# Altium PCB BigProjectPCB.PcbDoc
Units mm, origin at the board's own origin, x right, y up, seen from the top; angles counter-clockwise.
Board outline 106 x 73.5 mm, 2 copper layers (Top Layer, Bottom Layer); 63 components, 40 nets, 230 pads, 91 vias.
Unrouted connection lines stored in the file: 1.
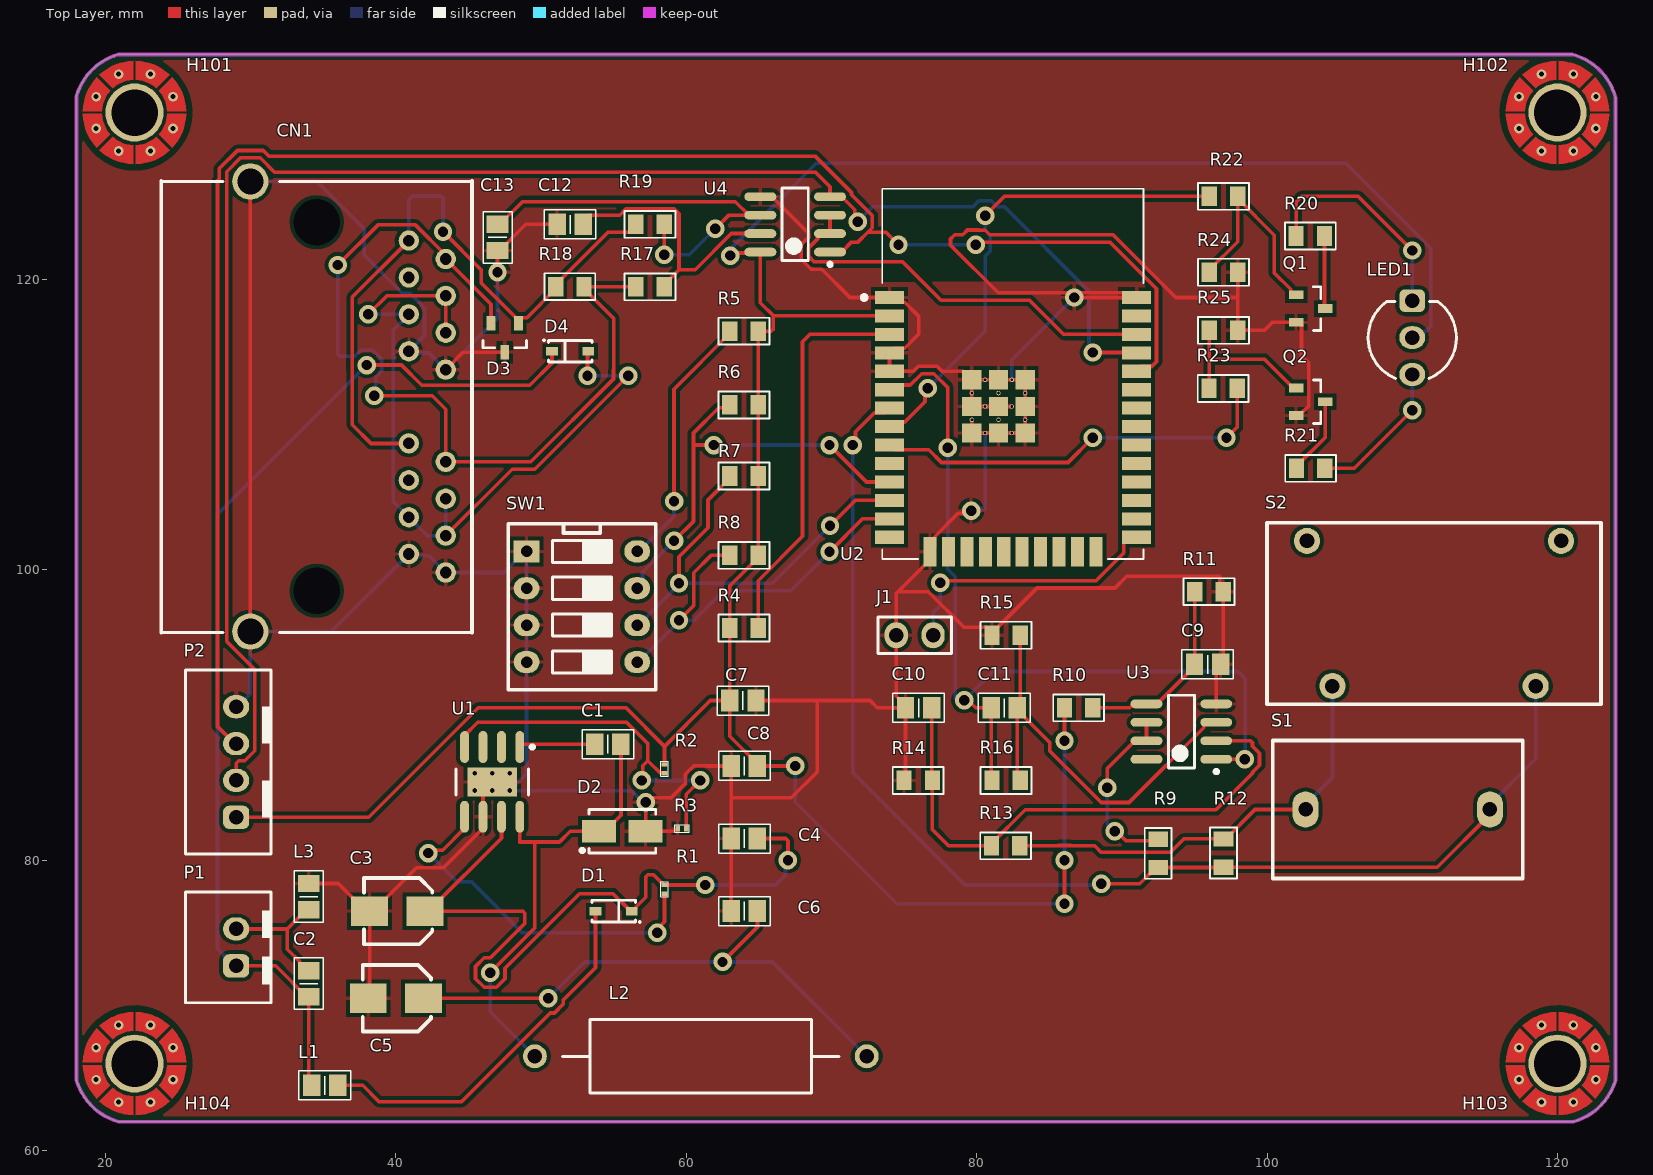
[diagram p0: Top Layer view]
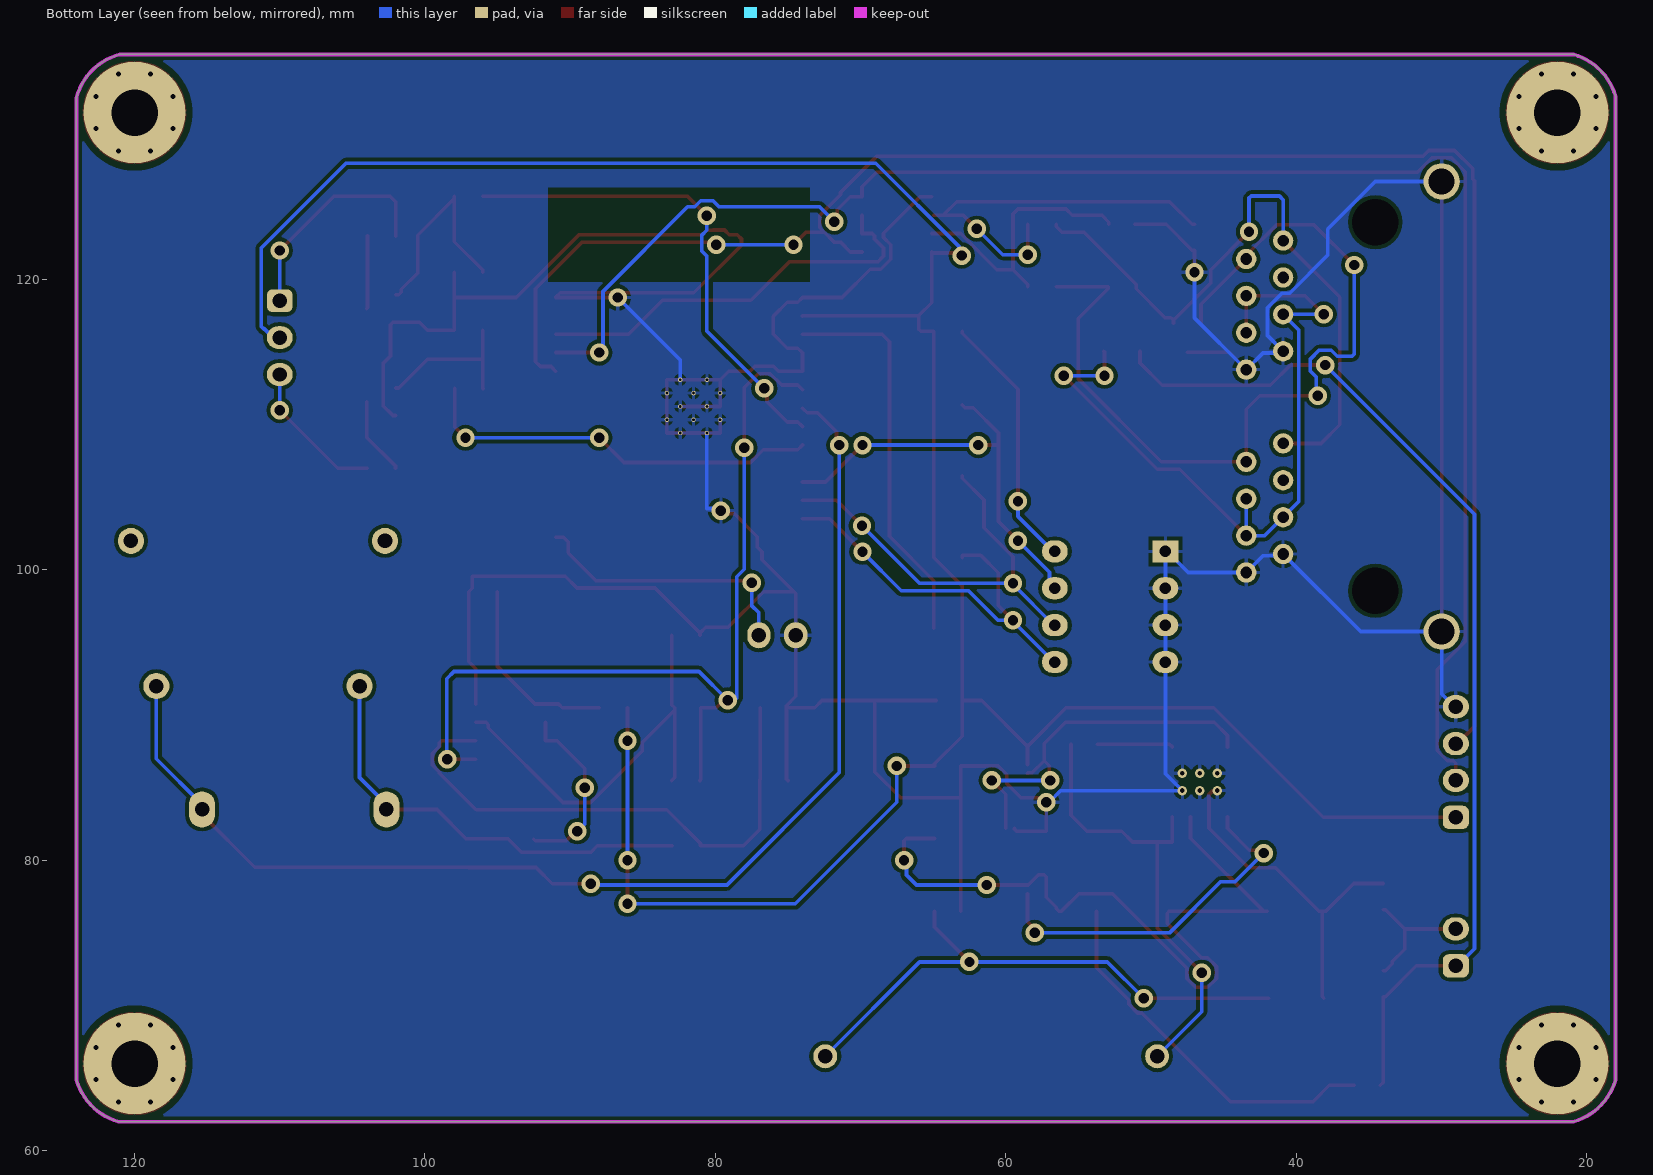
[diagram p1: Bottom Layer view, seen from below]

## Layer stack, top to bottom
Top Solder: solder mask 0.0102, Solder Resist, Dk 3.5
Top Layer: signal copper 0.0356
Dielectric 1: dielectric 0.32, FR-4, Dk 4.8
Bottom Layer: signal copper 0.0356
Bottom Solder: solder mask 0.0102, Solder Resist, Dk 3.5

## Board outline
18,64.9 18,132.6 cw(c22,131.5) 20.9,135.5 121,135.5 cw(c120,131.5) 124,132.5 124,64.9 cw(c120,66) 121.1,62 20.9,62 cw(c22,66)

## Design rules (kind name [scope] priority, off if disabled: settings)
Clearance [All] p1: gap=0.254 ignorepadtopadclearanceinfootprint=FALSE except(0: Arc-Hole Track-Hole SMDPad-Hole THPad-Hole Via-Hole Fill-Hole Poly-Hole Region-Hole Text-Hole)
ComponentClearance [InComponent('H*') OR InComponent('S1')] p1: gap=0 collisioncheckmode=3 verticalgap=0 showdistances=FALSE
Height [All] p1: minheight=0 maxheight=30 prefheight=12.7
PolygonConnect [All] p1: connectstyle=Relief reliefconductorwidth=0.254 reliefentries=4 polygonreliefangle="90 Angle" airgapwidth=0.254
RoutingVias [All] p1: holewidth=0.711 width=1.27 viastyle="Through Hole" minholewidth=0.711 minwidth=1.27 maxholewidth=0.711 maxwidth=1.27
SolderMaskExpansion [All] p1: expansion=0.102 istentingtop=FALSE
Width [All] p1: maxlimit=2 minlimit=0.2 preferedwidth=0.4 minimp=50.000000 maximp=50.000000 favimp=50.000000
28 further rules are at their usual default settings.

## Classes and differential pairs
component class SlideSwitchMCU: R5 R6 R7 R8 SW1
component class RS-485: C12 C13 CN1 D3 D4 R17 R18 R19 U4
component class HighCurrentLED: LED1 Q1 Q2 R20 R21 R22 R23 R24 R25
component class CurrentSensor: C9 C10 C11 R9 R10 R11 R12 R13 R14 R15 R16 S1 S2 U3
component class ESP32-WROM-32: C7 C8 J1 P2 R4 U2
component class 3.3VRegulator: C1 C2 C3 C4 C5 C6 D1 D2 H101 H102 H103 H104 L1 L2 L3 P1 R1 R2 R3 U1

## Components (designator, comment, footprint, x,y, rotation, side; value= is the part's Value field where it differs from the comment)
C1 "10nF" "C 0805" 54.6,88 r0 top
C2 "1.2uF" "C 0805" 34,71.5 r90 top
C3 "100uF/35V" "C SMD ALU (B)" 40.095,76.5 r180 top
C4 "0.1uF" "C 0805" 64,81.5 r180 top
C5 "220uF/16V" "C SMD ALU (B)" 40,70.5 r180 top
C6 "0.1uF" "C 0805" 64,76.5 r180 top
C7 "0.1uF" "C 0805" 63.9,91 r0 top
C8 "22uF" "C 0805" 64,86.5 r180 top
C9 "1uF" "C 0805" 95.9,93.5 r180 top
C10 "100pF" "C 0805" 76,90.5 r180 top
C11 "100pF" "C 0805" 81.9,90.5 r180 top
C12 "N/A" "C 0805" 52,123.8 r0 top
C13 "N/A" "C 0805" 47,122.9 r270 top
CN1 "RJ45 x2" CONN/RJ45/x2 34.544,111.252 r270 top
D1 "Diode" SOD323 55,76.5 r180 top
D2 "SS34" "DO-214AC (SMA)" 55.6,82 r180 top
D3 "CDSOT23-SM712" SOT-23 47.5,116 r270 top
D4 "Diode" SOD323 52,115.062 r0 top
H101 "Screw Hole" SCREW/3.2/7.0/M 22,131.5 r0 top
H102 "Screw Hole" SCREW/3.2/7.0/M 120,131.5 r0 top
H103 "Screw Hole" SCREW/3.2/7.0/M 120,66 r0 top
H104 "Screw Hole" SCREW/3.2/7.0/M 22,66 r0 top
J1 "BOOT" JUMP/2/Open 77,95.5 r180 top
L1 "FB" "L 0805 (2012)" 35.1,64.5 r0 top
L2 "Inductor Iron" AXIAL-0.9 61,66.5 r0 top value=15mH
L3 "FB" "L 0805 (2012)" 34,77.5 r90 top
LED1 "Led 3pin 2color" "LED 3PIN 2COLOR 5MM" 110,118.54 r90 top
P1 "Header 2" HDR/Header/2/BOX/RED 29,74 r180 top
P2 "Header 4" HDR/Header/4/BOX/WHITE 29,86.77 r90 top
Q1 "MMBT3904LT1G" SOT-23 103,118 r0 top
Q2 "MMBT3904LT1G" SOT-23 103,111.583 r0 top
R1 "N/A" RES-SMD-0201 58.5,78 r90 top
R2 "10k" RES-SMD-0201 58.5,86.3 r90 top
R3 "5.9k" RES-SMD-0201 59.7,82.2 r0 top
R4 "10k" "R 0805" 63.975,96 r180 top
R5 "10k" "R 0805" 63.975,116.442 r0 top
R6 "10k" "R 0805" 63.975,111.362 r0 top
R7 "10k" "R 0805" 63.975,106.465 r0 top
R8 "10k" "R 0805" 63.975,101 r0 top
R9 "1k" "R 0805" 92.5,80.475 r270 top
R10 "1k" "R 0805" 87.025,90.5 r180 top
R11 "1k" "R 0805" 96,98.5 r0 top
R12 "100" "R 0805" 97,80.5 r270 top
R13 "1k" "R 0805" 82,81 r0 top
R14 "1k" "R 0805" 75.975,85.5 r0 top
R15 "1k" "R 0805" 82.025,95.5 r0 top
R16 "1k" "R 0805" 82.025,85.5 r180 top
R17 "10" "R 0805" 57.5,119.5 r180 top
R18 "120" "R 0805" 51.984,119.507 r0 top
R19 "10" "R 0805" 57.5,123.8 r180 top
R20 "R" "R 0805" 102.975,123 r180 top
R21 "R" "R 0805" 103,107 r180 top
R22 "4.7k" "R 0805" 97,125.732 r0 top
R23 "4.7k" "R 0805" 96.975,112.5 r0 top
R24 "47k" "R 0805" 97,120.5 r0 top
R25 "47k" "R 0805" 97,116.5 r180 top
S1 "TA12" TA12 109,83.5 r0 top
S2 "TA17" TA17 111.5,97 r0 top
SW1 "SW DIP-4" SW/DIP4 49,101.275 r270 top
U1 "TPS530" "SOIC-8 EP" 46.635,85.4 r270 top
U2 "ESP32-WROOM-32" MODULE_ESP32-WROOM-32 82.5,113.5 r0 top
U3 "LM358" SOIC-8 94.1,88.865 r180 top
U4 "MAX485" SOIC-8 67.5,123.8 r180 top

## Footprints (in the part's own frame and the unit in brackets; to place one, negate y for a bottom-side part, rotate by r counter-clockwise, add the part's x,y. Pads: shape width x height; smd on the part's side, far side on the other; paste and mask are expansions set on the pad)
AXIAL-0.9 [mm] "Axial Device, Thru-Hole; 2 Leads; 0.9 in Pin Spacing"
  round 1.65 hole 1: 1(-11.43,0) 2(11.43,0)
  silkscreen extent -9.52,-2.54 9.53,2.54
"C 0805" [mm] "Chip Capacitor, 2-Leads, Body 2.0x1.3mm, IPC Medium Density"
  rect 1.2x1.5 smd: 1(-0.9,0) 2(0.9,0)
  silkscreen extent -1.78,-1 1.78,1, body extent -1,-0.64 1,0.61, height 0.6
"C SMD ALU (B)" [mil] "SMD Aluminum Electrolytic Capacitor, size D (4.0 x 5.4 mm)"
  rect 100x80 smd: 1(-75,0) 2(75,0)
  silkscreen extent -95,-90 90,90, body extent -91,-85 91,85, height 213
CONN/RJ45/x2 [mm]
  round 1.4 hole 0.8: 1(-11.43,6.35) 2(-10.16,8.89) 3(-8.89,6.35) 4(-7.62,8.89) 5(-6.35,6.35) 6(-5.08,8.89) 7(-3.81,6.35) 8(-2.54,8.89) 11(2.54,6.35) 12(3.81,8.89) 13(5.08,6.35) 14(6.35,8.89) 15(7.62,6.35) 16(8.89,8.89) 17(10.16,6.35) 18(11.43,8.89)
  round 2.5 hole 1.8: 9(-15.5,-4.57) 10(15.5,-4.57)
  round 0 hole 3.2 unplated: HOLE(-12.7,0) HOLE(12.7,0)
  silkscreen extent -15.56,-10.7 15.56,10.7, body extent -15.5,-10.7 15.56,10.7, height 13.46
"DO-214AC (SMA)" [mm] "Molded Diode, 2-Leads, Body 4.3x2.7mm, IPC Medium Density"
  rect 2.35x1.55 smd: 1(-1.6,0) 2(1.6,0)
  silkscreen extent -2.3,-1.5 2.89,1.5, body extent -2.6,-1.3 2.6,1.3, height 2.4
HDR/Header/2/BOX/RED [mm]
  rrect50% 1.8x1.6 hole 1: 1(0,1.27)
  oval 1.8x1.6 hole 1: 2(0,-1.27)
  silkscreen extent -2.41,-3.81 3.5,3.81, body extent -2.35,-3.7 3.4,3.7, height 7
HDR/Header/4/BOX/WHITE [mm]
  rrect50% 1.6x1.8 hole 1: 1(-3.81,0)
  oval 1.6x1.8 hole 1: 2(-1.27,0) 3(1.27,0) 4(3.81,0)
  silkscreen extent -6.35,-2.41 6.35,3.5, body extent -6.2,-2.3 6.2,3.45, height 7
JUMP/2/Open [mm]
  oval 1.6x1.8 hole 1: 1(0,0) 2(2.54,0)
  silkscreen extent -1.27,-1.27 3.81,1.27, body extent -1.27,-1.27 3.81,1.27, height 8.89
"L 0805 (2012)" [mm] "Chip Capacitor, 2-Leads, Body 2.0x1.3mm, IPC Medium Density"
  rect 1.2x1.5 smd: 1(-0.9,0) 2(0.9,0)
  silkscreen extent -1.78,-1 1.78,1, body extent -1,-0.6 1,0.6, height 0.95
"LED 3PIN 2COLOR 5MM" [mil]
  rrect50% 62x70 hole 39: 1(0,0)
  oval 62x70 hole 39: 2(-100,0) 3(-200,0)
  silkscreen extent -211,-120 -2,120, body extent -218,-118 -2,118, height 335
MODULE_ESP32-WROOM-32 [mm]
  rect 2x0.9 smd: 1(-8.5,5.26) 2(-8.5,3.99) 3(-8.5,2.72) 4(-8.5,1.45) 5(-8.5,0.18) 6(-8.5,-1.09) 7(-8.5,-2.36) 8(-8.5,-3.63) 9(-8.5,-4.9) 10(-8.5,-6.17) 11(-8.5,-7.44) 12(-8.5,-8.71) 13(-8.5,-9.98) 14(-8.5,-11.25) 25(8.5,-11.25) 26(8.5,-9.98) 27(8.5,-8.71) 28(8.5,-7.44) 29(8.5,-6.17) 30(8.5,-4.9) 31(8.5,-3.63) 32(8.5,-2.36) 33(8.5,-1.09) 34(8.5,0.18) 35(8.5,1.45) 36(8.5,2.72) 37(8.5,3.99) 38(8.5,5.26)
  rect 0.9x2 smd: 15(-5.715,-12.25) 16(-4.445,-12.25) 17(-3.175,-12.25) 18(-1.905,-12.25) 19(-0.635,-12.25) 20(0.635,-12.25) 21(1.905,-12.25) 22(3.175,-12.25) 23(4.445,-12.25) 24(5.715,-12.25)
  rect 1.33x1.33 smd: 39(-2.835,-4.075) 39(-2.835,-2.24) 39(-2.835,-0.405) 39(-1,-4.075) 39(-1,-2.24) 39(-1,-0.405) 39(0.835,-4.075) 39(0.835,-2.24) 39(0.835,-0.405)
  round 0.3 hole 0.2: 39(-2.835,-3.157) 39(-2.835,-1.322) 39(-1.917,-4.075) 39(-1.917,-2.24) 39(-1.917,-0.405) 39(-1,-3.157) 39(-1,-1.322) 39(-0.082,-4.075) 39(-0.082,-2.24) 39(-0.082,-0.405) 39(0.835,-3.157) 39(0.835,-1.322)
  Top Layer pour cut-out: -9.017,12.827 -9.017,6.35 9.017,6.35 9.017,12.827
  Bottom Layer pour cut-out: -9.017,12.827 -9.017,6.35 9.017,6.35 9.017,12.827
  silkscreen extent -10.4,-12.75 9,12.75, body extent -9,-12.75 9,12.75, height 2.91
"R 0805" [mm] "Chip Resistor, 2-Leads, Body 2.0x1.3mm, IPC Medium Density"
  rect 1.05x1.35 smd: 1(-0.975,0) 2(0.975,0)
  silkscreen extent -1.75,-0.92 1.75,0.92, body extent -1,-0.61 1,0.59, height 0.5
RES-SMD-0201 [mm]
  rect 0.3x0.4 smd: 1(-0.3,0) 2(0.3,0)
  silkscreen extent -0.51,-0.25 0.51,0.25, body extent -0.3,-0.15 0.3,0.15, height 0.22
SCREW/3.2/7.0/M [mm]
  round 4 / inner round 7 / far side round 7 hole 3.2: 1(0,0)
  Top Layer pour cut-out: -4,0 -3.696,1.531 -2.828,2.828 -1.531,3.695 0,4 0,4 1.531,3.695 2.828,2.828 3.695,1.531 4,0 4,0 3.696,-1.531 2.828,-2.828 1.531,-3.696 0,-4 0,-4 -1.531,-3.696 -2.828,-2.828 -3.696,-1.531 -4,0
  Top Layer region: -2.25,0.1 -2.225,0.325 -2.175,0.575 -2.1,0.8 -2.025,0.975 -1.95,1.125 -1.875,1.25 -1.775,1.375 -1.675,1.5 -2.6,2.425 -2.775,2.225 -2.925,2.025 -3.05,1.825 -3.175,1.6 -3.275,1.375 -3.35,1.175 -3.425,0.95 -3.475,0.725 -3.5,0.6 -3.525,0.45 -3.55,0.1
  Top Layer region: -2.25,-0.1 -2.225,-0.325 -2.175,-0.575 -2.1,-0.8 -2.025,-0.975 -1.95,-1.125 -1.875,-1.25 -1.775,-1.375 -1.675,-1.5 -2.6,-2.425 -2.775,-2.225 -2.925,-2.025 -3.05,-1.825 -3.175,-1.6 -3.275,-1.375 -3.35,-1.175 -3.425,-0.95 -3.475,-0.725 -3.5,-0.6 -3.525,-0.45 -3.55,-0.1
  Top Layer region: -0.1,2.25 -0.325,2.225 -0.575,2.175 -0.8,2.1 -0.975,2.025 -1.125,1.95 -1.25,1.875 -1.375,1.775 -1.5,1.675 -2.425,2.6 -2.225,2.775 -2.025,2.925 -1.825,3.05 -1.6,3.175 -1.375,3.275 -1.175,3.35 -0.95,3.425 -0.725,3.475 -0.6,3.5 -0.45,3.525 -0.1,3.55
  Top Layer region: 0.1,2.25 0.325,2.225 0.575,2.175 0.8,2.1 0.975,2.025 1.125,1.95 1.25,1.875 1.375,1.775 1.5,1.675 2.425,2.6 2.225,2.775 2.025,2.925 1.825,3.05 1.6,3.175 1.375,3.275 1.175,3.35 0.95,3.425 0.725,3.475 0.6,3.5 0.45,3.525 0.1,3.55
  Top Layer region: 2.25,-0.1 2.225,-0.325 2.175,-0.575 2.1,-0.8 2.025,-0.975 1.95,-1.125 1.875,-1.25 1.775,-1.375 1.675,-1.5 2.6,-2.425 2.775,-2.225 2.925,-2.025 3.05,-1.825 3.175,-1.6 3.275,-1.375 3.35,-1.175 3.425,-0.95 3.475,-0.725 3.5,-0.6 3.525,-0.45 3.55,-0.1
  Top Layer region: 2.25,0.1 2.225,0.325 2.175,0.575 2.1,0.8 2.025,0.975 1.95,1.125 1.875,1.25 1.775,1.375 1.675,1.5 2.6,2.425 2.775,2.225 2.925,2.025 3.05,1.825 3.175,1.6 3.275,1.375 3.35,1.175 3.425,0.95 3.475,0.725 3.5,0.6 3.525,0.45 3.55,0.1
  Top Layer region: 0.1,-2.25 0.325,-2.225 0.575,-2.175 0.8,-2.1 0.975,-2.025 1.125,-1.95 1.25,-1.875 1.375,-1.775 1.5,-1.675 2.425,-2.6 2.225,-2.775 2.025,-2.925 1.825,-3.05 1.6,-3.175 1.375,-3.275 1.175,-3.35 0.95,-3.425 0.725,-3.475 0.6,-3.5 0.45,-3.525 0.1,-3.55
  Top Layer region: -0.1,-2.25 -0.325,-2.225 -0.575,-2.175 -0.8,-2.1 -0.975,-2.025 -1.125,-1.95 -1.25,-1.875 -1.375,-1.775 -1.5,-1.675 -2.425,-2.6 -2.225,-2.775 -2.025,-2.925 -1.825,-3.05 -1.6,-3.175 -1.375,-3.275 -1.175,-3.35 -0.95,-3.425 -0.725,-3.475 -0.6,-3.5 -0.45,-3.525 -0.1,-3.55
  Bottom Layer pour cut-out: -4,0 -3.696,1.531 -2.828,2.828 -1.531,3.695 0,4 0,4 1.531,3.695 2.828,2.828 3.695,1.531 4,0 4,0 3.696,-1.531 2.828,-2.828 1.531,-3.696 0,-4 0,-4 -1.531,-3.696 -2.828,-2.828 -3.696,-1.531 -4,0
SOD323 [mm]
  rect 0.8x0.6 smd: 1(1.25,0) 2(-1.25,0)
  silkscreen extent -1.85,-0.75 1.5,0.8, body extent -1.3,-0.67 1.3,0.68, height 1.1
SOIC-8 [mm] "SOIC, 8-Leads, Body 5.0x4.0mm (max), Pitch 1.27mm, IPC Medium Density"
  oval 2.2x0.6 smd: 1(-2.4,1.905) 2(-2.4,0.635) 3(-2.4,-0.635) 4(-2.4,-1.905) 5(2.4,-1.905) 6(2.4,-0.635) 7(2.4,0.635) 8(2.4,1.905)
  silkscreen extent -2.53,-2.5 0.9,2.88, body extent -3,-2.49 3,2.41, height 1.75
"SOIC-8 EP" [mm] "SOIC, 8-Leads, Body 5.0x4.0mm (max), Pitch 1.27mm, IPC Medium Density"
  oval 2.2x0.6 smd: 1(-2.4,1.905) 2(-2.4,0.635) 3(-2.4,-0.635) 4(-2.4,-1.905) 5(2.4,-1.905) 6(2.4,-0.635) 7(2.4,0.635) 8(2.4,1.905)
  rect 2x3.4 smd: 9(0,0)
  silkscreen extent -2.52,-2.5 0.9,2.88, body extent -3,-2.49 3,2.41, height 1.75
SOT-23 [mm] "SOT23, 3-Leads, Body 3.0x2.5mm (max), Pitch 0.95mm, IPC Medium Density"
  rect 1x0.6 smd: 1(-1,0.95) 2(-1,-0.95) 3(1,0)
  silkscreen extent 0.2,-1.5 0.7,1.5, body extent -1.28,-1.46 1.27,1.46, height 0.95
SW/DIP4 [mil]
  rect 60x70 hole 31: 1(0,0)
  oval 60x70 hole 31: 2(100,0) 3(200,0) 4(300,0) 5(300,300) 6(200,300) 7(100,300) 8(0,300)
  silkscreen extent -75,-50 375,350, body extent -50,0 350,300, height 165
TA12 [mm]
  oval 1.8x2.5 hole 1: 1(-6.35,0) 2(6.35,0)
  silkscreen extent -8.6,-4.75 8.6,4.75, body extent -8.6,-4.75 8.6,4.75, height 20.4
TA17 [mm]
  round 1.8 hole 1: 1(-7,-5) 2(7,-5) 3(8.75,5) 4(-8.75,5)
  silkscreen extent -11.5,-6.25 11.5,6.25, body extent -11.5,-6.25 11.5,6.25, height 26

## Part data
C1 C2 C4 C6 C7 C8 C9 C10 C11 C12 C13: library part "Capacitor NP", "Capacitor non-pol"
C3 C5: library part Capacitor, "Capacitor pol"
CN1: library part "CON RJ45 x2", "Connector RJ45 X2"
D1 D4: "Default Diode"
D2: library part "Diode Zener", "Zener Diode"
D3: "TVS DIODE 7V/12V 14V/26V SOT23-3"
J1: library part "JUMP 2"
L1 L3: library part Inductor, "Inductor"
L2: "Magnetic-Core Inductor", LatestRevisionDate=17-Jul-2002, LatestRevisionNote="Re-released for DXP Platform.", PackageDescription="Axial Device, Thru-Hole; 2 Leads; 0.9 in Pin Spacing", PackageReference=AXIAL-0.9, Published=24-Mar-1999, Publisher="Altium Limited"
LED1: "Typical LED 3-pin 2-color"
P1: "Header, 2-Pin"
P2: "Header, 4-Pin"
Q1 Q2: library part "Transistor NPN", "NPN Bipolar Transistor"
R1 R2 R3: library part Res-SMD, "Resistor", Manufacturer="Generic Components", Class=Passive, Published=08/06/2000, Publisher="Altium Hobart Technology Centre"
R4 R5 R6 R7 R8 R9 R10 R11 R12 R13 R14 R15 R16 R17 R18 R19 R20 R21 R22 R23 R24 R25: library part Resistor, "Resistor"
U1: library part TPS54xx, "3/5A, Wide input range, Step-down SWIFT DC-DC Converter"
U2: "Bluetooth, WiFi 802.11b/g/n, Bluetooth v4.2 + EDR, Class 1, 2 and 3 Transceiver Module 2.4GHz ~ 2.5GHz Integrated, Trace Surface Mount", PACKAGE="Module Espressif Systems", Availability=Unavailable, MF="Espressif Systems", MP=ESP32-WROOM-32D, Price=None, SnapEDA_Link=https://www.snapeda.com/parts/ESP32-WROOM-32D/Espressif%20Systems/view-part/2768115/?ref=snap
U3: "Low Power Dual Operational Amplifiers"
U4: "Low-Power, Slew-Rate-Limited  RS-485/RS-422 Transceivers"
H101 H102 H103 H104: TYPE=NO-BOM, UNIT PRICE=0

## Via types
v1: diameter 1.27, hole 0.711, Top Layer to Bottom Layer, 53 vias
v2: diameter 0.66, hole 0.33, Top Layer to Bottom Layer, 38 vias

## Nets (pads, with @x,y where several pads share a name; then routed paths per layer and width w, separated by ;. In a path a pad name is that pad's centre, name@x,y a point inside that pad or via, vN(x,y) a via of type N, cw(c..) or ccw(c..) an arc to the next point about the centre after c; other vN are vias at no path point)
3V3: C7.1 C8.1 LED1.2 P2.1 R2.2 R4.2 R5.2 R6.2 R7.2 R8.2 R10.2 U2.2 U4.8 | length 189.9
  Top Layer w0.254: P2.1 38.127,82.96 45.667,90.5 55.842,90.5 58.5,87.842 ; R2.2 58.5,87.842 ; v1(63.024,121.651) 63.202,121.829 65.034,121.829 U4.8 65.1,118.4 66,117.5 ; v1(67.5,86.5) C8.1 64.9,86.65 63,88.55 C7.1 ; U2.2 73.99,117.5 66,117.5 ; v1(86.05,77) v1(86.05,80) ; v1(86.05,88.23) R10.2 ; 58.5,87.842 61.658,91 C7.1 ; C7.1 R4.2 63,98.9 64.95,100.85 R8.2 R7.2 R6.2 R5.2 65.851,116.442 66,116.591 66,117.5
  Bottom Layer w0.254: v1(63.024,121.651) 63.219,121.845 63.219,122.271 68.948,128 105.437,128 111.27,122.167 111.27,116.77 111.09,116.59 111.049,116.59 110.459,116 LED1.2 ; v1(67.5,86.5) 67.5,83.998 74.498,77 v1(86.05,77) ; v1(86.05,80) v1(86.05,88.23)
3V3/2: R9.2 R12.2 S1.2 S2.2 U2.7 | length 85.8
  Top Layer w0.254: v1(71.46,108.6) 71.654,108.794 71.654,109.513 72.958,110.817 73.677,110.817 U2.7 ; v1(88.581,78.381) 91.231,78.381 92.35,79.5 R9.2 96.975,79.5 R12.2 111.725,79.525 115.35,83.15 S1.2
  Bottom Layer w0.254: v1(71.46,108.6) 71.46,86.04 79.2,78.3 88.5,78.3 v1(88.581,78.381) ; S1.2 115.35,83.85 118.5,87 S2.2
ADC1_CH6: C11.2 R16.2 U2.6 U3.1 | length 62.1
  Top Layer w0.254: U2.6 74.323,112.733 75.426,112.733 76.209,113.516 77.051,113.516 78,112.567 v1(78,108.41) ; v1(79.149,91.016) 79.424,91.016 79.94,90.5 C11.2 81,85.55 R16.2 ; U3.1 v1(98.46,86.96)
  Bottom Layer w0.254: v1(78,108.41) 78,100.042 78.516,99.526 78.516,91.165 79,91.165 v1(79.149,91.016) 81.133,93 98,93 98.5,92.5 98.5,87 v1(98.46,86.96)
ADC_IN: R12.1 R13.2 S1.1 S2.1 | length 30.4
  Top Layer w0.254: R13.2 85.613,81 85.629,81.016 86.471,81.016 86.487,81 88.125,81 88.581,80.544 93.333,80.544 94.264,81.475 R12.1 97.15,81.475 99.175,83.5 S1.1
  Bottom Layer w0.254: S1.1 102.65,83.85 104.5,85.7 S2.1
GND: C3.2 C4.2 C5.2 C6.2 C7.2 C8.2 C9.1 C10.2 C12.1 C13.2 CN1.7 CN1.8 CN1.9 CN1.10 CN1.17 CN1.18 D2.1 D3.3 J1.2 L3.2 P2.4 Q1.2 Q2.2 R3.1 R11.2 R14.1 R15.1 R24.2 R25.1 SW1.1 SW1.2 SW1.3 SW1.4 U1.6 U1.9 U2.1 U2.4 U2.5 U2.15 U2.38 U2.39 U3.4 U4.5 | length 365.7
  Top Layer w0.254: CN1.10 CN1.9 ; L3.2 36.036,78.4 37.936,76.5 C3.2 ; C5.2 38.19,70.595 C3.2 ; CN1.8 44.642,115 D3.3 ; v2(45.435,84.8) 45.727,84.8 46,84.527 46,82.2 43.284,79.484 41.428,79.484 38.444,76.5 C3.2 ; v1(47,120.5) C13.2 47.15,122 48.95,123.8 C12.1 ; R3.1 59.4,82.15 59.25,82 D2.1 57.2,84.3 58.951,84.3 59.935,85.284 59.935,85.921 60.53,86.516 61.372,86.516 61.388,86.5 C8.2 63.1,84.3 ; C6.2 C4.2 63.1,84.3 ; C7.2 69,91 69.016,90.984 69.016,86.079 67.237,84.3 63.1,84.3 ; U4.5 65.9,125.705 68.419,123.186 68.419,122.895 67.911,122.387 67.911,121.403 68.608,120.706 69.326,120.706 71.272,118.76 U2.1 74.323,118.437 75.042,118.437 76,117.479 76,116.231 75.042,115.273 74.323,115.273 U2.4 U2.5 75.655,113.68 75.999,114.024 77.261,114.024 77.605,113.68 79.08,113.68 U2.39@79.665,113.095 ; 69.016,91 72.65,91 73.15,90.5 C10.2 ; R14.1 75.1,85.6 C10.2 ; v1(79.618,104.083) 79.423,103.888 78.704,103.888 77.108,102.292 77.108,101.573 U2.15 76.785,100.7 74.585,98.5 ; U2.39@79.665,110.342 79.665,109.425 80.583,109.425 81.5,109.425 82.418,109.425 83.335,109.425 83.335,110.342 83.335,111.26 83.335,112.177 83.335,113.095 82.418,113.095 81.5,113.095 80.583,113.095 U2.39@79.665,113.095 ; R15.1 R15.1@81.05,95.65 ; U2.39@82.418,111.26 81.5,111.26 80.583,111.26 79.665,111.26 79.665,112.177 U2.39@79.665,113.095 ; v1(86.72,118.76) U2.38 90.677,119.083 81.479,119.083 78.196,122.366 78.196,122.786 78.494,123.084 79.042,123.084 79.371,123.414 80.135,123.414 80.162,123.386 80.597,123.386 80.899,123.084 89.383,123.084 93.707,118.76 97.975,118.76 ; U3.4 96.5,93.2 C9.1 96.975,93.675 R11.2 96.744,98.731 96.744,99.556 90.332,99.556 89.529,98.753 84.153,98.753 R15.1@81.05,95.65 ; R24.2 97.975,118.76 ; Q2.2 102.2,110.633 102.881,111.314 102.881,114.222 102.373,114.73 102.373,116.877 102.2,117.05 Q1.2 100.37,117.05 99.82,116.5 R25.1 97.975,118.76 ; 74.585,98.5 76.668,98.5 79.12,96.048 80.652,96.048 R15.1@81.05,95.65 ; 74.585,98.5 74.46,98.375 J1.2 74.46,91.29 75.1,90.65 C10.2
  Bottom Layer w0.254: P2.4 29.1,90.58 29.974,91.454 CN1.10 35.554,95.752 CN1.17 41.015,100.971 42.285,100.971 CN1.18 47.42,99.822 48.873,101.275 SW1.1 SW1.2 SW1.3 SW1.4 49,85.965 v2(47.835,84.8) 56.207,84.8 57.009,83.998 v1(57.2,83.998) ; CN1.9 34.546,126.752 37.825,123.473 37.825,121.682 40.446,119.061 40.964,119.061 41.975,118.05 41.975,116.143 CN1.7 41.015,114.941 42.285,114.941 CN1.8 47,117.358 v1(47,120.5) ; v1(79.618,104.083) 79.766,104.231 80.583,104.231 U2.39@80.583,109.425 ; U2.39@82.418,113.095 82.418,114.458 v1(86.72,118.76)
  other v2: 46.635,84.8 45.435,86 46.635,86 47.835,86
LED0: R22.1 U2.8 | length 34
  Top Layer w0.254: U2.8 74.323,110.193 75.042,110.193 76.436,111.587 76.436,112.306 v1(76.63,112.5) ; v1(80.583,124.402) 81.912,125.732 R22.1
  Bottom Layer w0.254: v1(76.63,112.5) 80.583,116.453 80.583,121.615 80.944,121.977 80.944,123.039 80.583,123.401 v1(80.583,124.402)
LED1: R23.2 U2.9 | length 28.1
  Top Layer w0.254: U2.9 74.323,108.277 76.696,108.277 77.579,107.394 86.294,107.394 v1(88,109.1) ; v1(97.205,109.1) 97.95,109.845 R23.2
  Bottom Layer w0.254: v1(88,109.1) v1(97.205,109.1)
NetC1_1: C1.1 U1.1 | length 5.3
  Top Layer w0.254: U1.1 48.54,87.84 48.7,88 C1.1
NetC1_2: C1.2 D2.2 L2.1 U1.8 | length 31.7
  Top Layer w0.254: v1(46.5,72.265) 49.57,75.335 49.57,81.26 ; U1.8 48.54,81.26 49.57,81.26 ; C1.2 55.5,83.1 54.4,82 D2.2 52,82 51.26,81.26 49.57,81.26
  Bottom Layer w0.254: v1(46.5,72.265) 46.5,69.57 L2.1
NetC5_1: C5.1 C6.1 L2.2 | length 38.7
  Top Layer w0.254: C5.1 v1(50.5,70.5) ; v1(62.5,73) 64.9,75.4 C6.1
  Bottom Layer w0.254: v1(50.5,70.5) 53,73 v1(62.5,73) 65.93,73 L2.2
NetC9_2: C9.2 R10.1 R11.1 U3.5 | length 13.3
  Top Layer w0.254: R10.1 90.536,90.5 90.806,90.77 U3.5 92.42,90.77 95,93.35 C9.2 95.025,93.525 R11.1
NetC10_1: C10.1 R13.1 R14.2 U3.2 | length 38.1
  Top Layer w0.254: C10.1 76.9,85.55 R14.2 76.95,82.105 78.055,81 R13.1 81.025,81.15 83.351,83.476 96.476,83.476 99,86 99,86.063 99.476,86.539 99.476,87.381 99,87.857 99,88.081 98.851,88.23 U3.2
NetC11_1: C11.1 R15.2 R16.1 U3.3 | length 29.3
  Top Layer w0.254: R16.1 82.8,85.7 C11.1@82.8,90.35 ; R15.2 83,90.7 C11.1 C11.1@82.8,90.35 ; U3.3 95.794,89.5 95.634,89.34 95.634,89.131 90.487,83.984 88.579,83.984 85.034,87.529 85.034,88.116 C11.1@82.8,90.35
NetC12_2: C12.2 R17.1 U4.7 | length 19.3
  Top Layer w0.254: C12.2 52.9,123.95 53.373,124.423 55.409,124.423 55.842,124.856 59.158,124.856 59.5,124.514 59.5,120.675 ; R17.1 58.475,119.65 59.5,120.675 ; U4.7 63.102,123.165 60.612,120.675 59.5,120.675
NetC13_1: C13.1 R19.1 U4.6 | length 28
  Top Layer w0.254: C13.1 47.15,123.8 48.714,125.364 63.371,125.364 U4.6@64.3,124.435 ; v1(58.475,121.707) R19.1 ; v1(62,123.5) 62.935,124.435 U4.6@64.3,124.435 ; U4.6@64.95,124.435 U4.6@64.3,124.435
  Bottom Layer w0.254: v1(58.475,121.707) 60.207,121.707 v1(62,123.5)
NetD1_1: D1.1 L1.2 | length 26.1
  Top Layer w0.254: L1.2 37.711,64.5 38.842,63.369 44.52,63.369 50.635,69.484 50.921,69.484 51.516,70.079 51.516,70.365 53.75,72.599 D1.1
NetJ1_1: J1.1 U2.25 | length 19.1
  Top Layer w0.254: v1(77.5,99.105) 77.5,99.112 77.649,99.261 88.215,99.261 90.127,101.173 90.127,101.927 90.45,102.25 U2.25
  Bottom Layer w0.254: J1.1 77,97.05 77.5,97.55 v1(77.5,99.105)
NetLED1_1: LED1.1 R20.2 | length 15.5
  Top Layer w0.254: R20.2 102,125.327 102.405,125.732 106.268,125.732 v1(110,122)
  Bottom Layer w0.254: LED1.1 v1(110,122)
NetLED1_3: LED1.3 R21.1 | length 10.1
  Top Layer w0.254: R21.1 106,107 v1(110,111)
  Bottom Layer w0.254: v1(110,111) LED1.3
NetQ1_1: Q1.1 R22.2 R24.1 | length 14.5
  Top Layer w0.254: R24.1 96.025,120.65 97.975,122.6 R22.2@97.975,125.582 ; R22.2 R22.2@97.975,125.582 ; Q1.1 101.8,118.95 101.627,119.123 101.627,119.323 100.5,120.45 100.5,123.057 R22.2@97.975,125.582
NetQ1_3: Q1.3 R20.1 | length 5
  Top Layer w0.254: R20.1 103.95,118.05 Q1.3
NetQ2_1: Q2.1 R23.1 R25.2 | length 10.8
  Top Layer w0.254: R23.1 96.025,112.525 96.025,114.513 ; R25.2 96.025,114.513 ; Q2.1 101.8,112.533 99.82,114.513 96.025,114.513
NetQ2_3: Q2.3 R21.2 | length 5.4
  Top Layer w0.254: R21.2 102.025,107.15 104,109.125 Q2.3
NetR1_1: R1.1 U1.5 | length 25
  Top Layer w0.254: v1(42.23,80.5) 42.424,80.694 43.224,80.694 44.73,82.2 U1.5 ; v1(58,75) 58,75.275 58.5,75.775 R1.1
  Bottom Layer w0.254: v1(42.23,80.5) 44.214,78.516 45.201,78.516 48.717,75 v1(58,75)
NetR2_1: R2.1 R3.2 U1.4 | length 26.3
  Top Layer w0.254: U1.4 44.73,88.6 45.63,89.5 55.889,89.5 57.349,88.04 57.349,86.862 ; v1(56.944,85.5) 57.002,85.559 57.002,86.516 57.349,86.862 ; R2.1 58.477,86.023 58.188,86.023 57.349,86.862 ; R3.2 60,84.549 v1(60.951,85.5)
  Bottom Layer w0.254: v1(56.944,85.5) v1(60.951,85.5)
NetR4_1: R4.1 U2.3 | length 27.2
  Top Layer w0.254: R4.1 64.95,99.261 68,102.311 68,115.72 68.5,116.22 U2.3
NetR9_1: R9.1 U3.6 U3.7 | length 12.6
  Top Layer w0.254: v1(89,85) 89,86.33 90.9,88.23 U3.7 U3.6 ; v1(89.5,82) 89.639,82 90.288,81.351 92.401,81.351 R9.1
  Bottom Layer w0.254: v1(89,85) 89,82.5 v1(89.5,82)
PGND: C2.2 L3.1 P1.2 | length 9.1
  Top Layer w0.254: P1.2 32.52,75.27 ; C2.2 33.85,72.4 33.377,72.873 33.377,73.023 32.52,73.88 32.52,75.27 ; L3.1 33.85,76.6 32.52,75.27
RS485_5V: CN1.4 CN1.5 CN1.6 CN1.14 CN1.15 CN1.16 D4.1 | length 53.3
  Top Layer w0.254: v1(38.102,117.602) 39.372,118.872 CN1.4 CN1.6 ; CN1.16 48.006,106.934 49.561,106.934 v1(56,113.373) ; v1(53.197,113.373) 53.197,115.009 D4.1
  Bottom Layer w0.254: v1(38.102,117.602) CN1.5 39.813,116.521 39.813,104.713 CN1.15 42.164,102.362 CN1.16 CN1.14 ; v1(53.197,113.373) v1(56,113.373)
RS485_A: CN1.1 CN1.11 D3.1 R18.1 R19.2 | length 45.9
  Top Layer w0.254: CN1.11 38.288,108.712 37,110 37,113.672 36.984,113.688 36.984,114.529 37,114.545 37,118.788 CN1.1 ; v1(43.242,123.299) 45.884,120.658 45.884,119.766 D3.1@48.45,117.2 ; D3.1 D3.1@48.45,117.2 ; R19.2 56.525,123.65 56.127,123.252 54.604,123.252 51.009,119.657 R18.1 51.009,119.357 49.025,117.373 48.623,117.373 D3.1@48.45,117.2
  Bottom Layer w0.254: CN1.1 40.894,125.5 41.152,125.758 43.094,125.758 43.242,125.609 v1(43.242,123.299)
RS485_B: CN1.2 CN1.12 D3.2 R17.2 R18.2 | length 61.4
  Top Layer w0.254: v1(36,121) 38.763,123.763 41.342,123.763 43.434,121.671 CN1.2 46.55,118.296 D3.2 ; v1(38.5,112) 42.5,112 43.434,111.066 CN1.12 49.284,107.442 54.984,113.142 54.984,113.794 55,113.81 55,117.316 52.959,119.357 R18.2 52.966,119.5 R17.2
  Bottom Layer w0.254: v1(36,121) 36,114.867 36.149,114.718 37.173,114.718 37.579,115.124 38.421,115.124 39.016,114.529 39.016,113.688 38.61,113.282 38.61,112.11 v1(38.5,112)
RS485_EN: U2.36 U4.2 U4.3 | length 28.7
  Top Layer w0.254: U4.3 U4.2 69.194,123.165 69.034,123.005 69.034,122.792 68.419,122.177 68.419,121.613 68.818,121.214 74.912,121.214 77.551,118.575 83.645,118.575 86,116.22 U2.36
RXD0: P2.3 U2.34 U4.1 | length 120.4
  Top Layer w0.254: P2.3 28.9,88.04 27.719,89.221 27.719,126.804 27.835,126.92 27.835,127.638 29.088,128.891 30.86,128.891 31.251,128.5 68.868,128.5 71.381,125.987 71.381,125.837 72.815,124.402 72.815,123.561 72.506,123.252 ; U4.1 70.7,121.895 71.381,122.576 71.83,122.576 72.506,123.252 ; v1(74.617,122.387) 73.752,123.252 72.506,123.252 ; v1(79.928,122.398) 80.107,122.576 89.173,122.576 92.381,119.368 92.381,114.342 92.042,114.003 91.323,114.003 U2.34
  Bottom Layer w0.254: v1(74.617,122.387) 74.627,122.398 v1(79.928,122.398)
SW1: R5.1 SW1.8 U2.10 | length 17.9
  Top Layer w0.254: v1(59.158,104.718) 59.158,112.45 63,116.292 R5.1
  Bottom Layer w0.254: SW1.8 56.747,101.275 59.158,103.686 v1(59.158,104.718)
SW2: R6.1 SW1.7 U2.11 | length 30.2
  Top Layer w0.254: v1(59.158,102) 60.5,103.342 60.5,108.6 ; v1(61.888,108.6) 60.5,108.6 ; R6.1 62.806,111.168 62.243,111.168 60.5,109.425 60.5,108.6 ; v1(69.865,108.6) 72.405,106.06 U2.11
  Bottom Layer w0.254: SW1.7 56.99,99.105 56.99,99.832 v1(59.158,102) ; v1(61.888,108.6) v1(69.865,108.6)
SW3: R7.1 SW1.6 U2.12 | length 29.8
  Top Layer w0.254: v1(59.5,99.075) 59.5,100.905 61.5,102.905 61.5,104.815 63,106.315 R7.1 ; v1(69.9,103.035) 71.655,104.79 U2.12
  Bottom Layer w0.254: SW1.6 56.684,96.195 59.5,99.011 v1(59.5,99.075) 65.94,99.075 v1(69.9,103.035)
SW4: R8.1 SW1.5 U2.13 | length 28.3
  Top Layer w0.254: v1(59.5,96.535) 60.516,97.551 60.516,99.806 61.71,101 R8.1 R8.1@63,100.85 ; v1(69.865,101.24) 72.145,103.52 U2.13
  Bottom Layer w0.254: SW1.5 56.684,93.655 59.5,96.471 v1(59.5,96.535) 60.535,96.535 62.567,98.567 67.192,98.567 v1(69.865,101.24)
TXD0: P2.2 U2.35 U4.4 | length 116.4
  Top Layer w0.254: P2.2 29,86.681 29.178,86.859 29.589,86.859 30.281,87.551 30.281,93.138 28.343,95.076 28.343,127.428 29.298,128.383 30.65,128.383 31.648,127.384 68.902,127.384 69.9,126.386 U4.4 70.7,125.705 71.605,124.8 71.605,124.176 v1(71.799,123.982) ; v1(88,114.972) 90.978,114.972 U2.35
  Bottom Layer w0.254: v1(71.799,123.982) 72.826,125.008 79.751,125.008 80.162,125.418 81.003,125.418 81.414,125.008 81.909,125.008 87.736,119.181 87.736,115.236 v1(88,114.972)
VIN: C2.1 D4.2 L1.1 P1.1 | length 73.1
  Top Layer w0.254: P1.1 31.72,72.73 33.85,70.6 C2.1 34,64.7 L1.1 ; v1(38,114.108) 40.38,114.108 41.777,112.711 49.211,112.711 50.75,114.25 D4.2
  Bottom Layer w0.254: P1.1 28.9,72.73 27.719,73.911 27.719,103.827 v1(38,114.108)
VIN_FIL: C3.1 C4.1 D1.2 R1.2 U1.7 | length 54
  Top Layer w0.254: C3.1 C3.1@42.254,76.5 ; U1.7 47.27,81.516 C3.1@42.254,76.5 ; v1(61.3,78.3) R1.2 58.45,78.3 57.75,79 57.349,79 57.2,78.851 57.2,77.45 56.523,76.773 56.523,76.673 56.35,76.5 D1.2 56.15,76.5 54.95,77.7 52.653,77.7 47.516,72.563 47.516,71.844 46.921,71.249 46.079,71.249 45.484,71.844 45.484,72.686 46.079,73.281 46.509,73.281 48.87,75.642 48.87,76.351 48.722,76.5 45.217,76.5 45.201,76.484 44.359,76.484 44.343,76.5 C3.1@42.254,76.5 ; C4.1 66.851,81.5 67,81.351 v1(67,80)
  Bottom Layer w0.254: v1(61.3,78.3) 66.151,78.3 66.835,78.984 66.835,79.835 v1(67,80)
pads on no net: CN1.3 CN1.13 CN1.HOLE H101.1 H102.1 H103.1 H104.1 S2.3 S2.4 U1.2 U1.3 U2.14 U2.16 U2.17 U2.18 U2.19 U2.20 U2.21 U2.22 U2.23 U2.24 U2.26 U2.27 U2.28 U2.29 U2.30 U2.31 U2.32 U2.33 U2.37 U3.8
copper on no net:
  other v2: 20.9,63.35 23.1,63.35 118.9,63.35 121.1,63.35 19.35,64.9 24.65,64.9 117.35,64.9 122.65,64.9 19.35,67.1 24.65,67.1 117.35,67.1 122.65,67.1 20.9,68.65 23.1,68.65 118.9,68.65 121.1,68.65 20.9,128.85 23.1,128.85 118.9,128.85 121.1,128.85 19.35,130.4 24.65,130.4 117.35,130.4 122.65,130.4 19.35,132.6 24.65,132.6 117.35,132.6 122.65,132.6 20.9,134.15 23.1,134.15 118.9,134.15 121.1,134.15

## Polygon pours and split planes (outlines as drawn)
GND on Bottom Layer "GND_L02_P002" (solid, remove dead copper, pour order 2): 18,135.466 18,62 123.966,62 124,62.034 123.966,62.068 123.966,135.5 18.034,135.5
GND on Top Layer "GND_L01_P004" (solid, remove dead copper, pour order 4): 18,135.5 18,62 123.966,62 124,62.034 124,135.5

## Keep-outs
Keep-Out Layer:
  the board outline again, w0.254

## Text inside footprints (layer, text, board x,y; h text height)
U2: Mechanical 13 "ANTENNA" at 76.5,122.5 h1.78